# Altium PCB PCB1.PcbDoc (part 2 of 8) (continued)
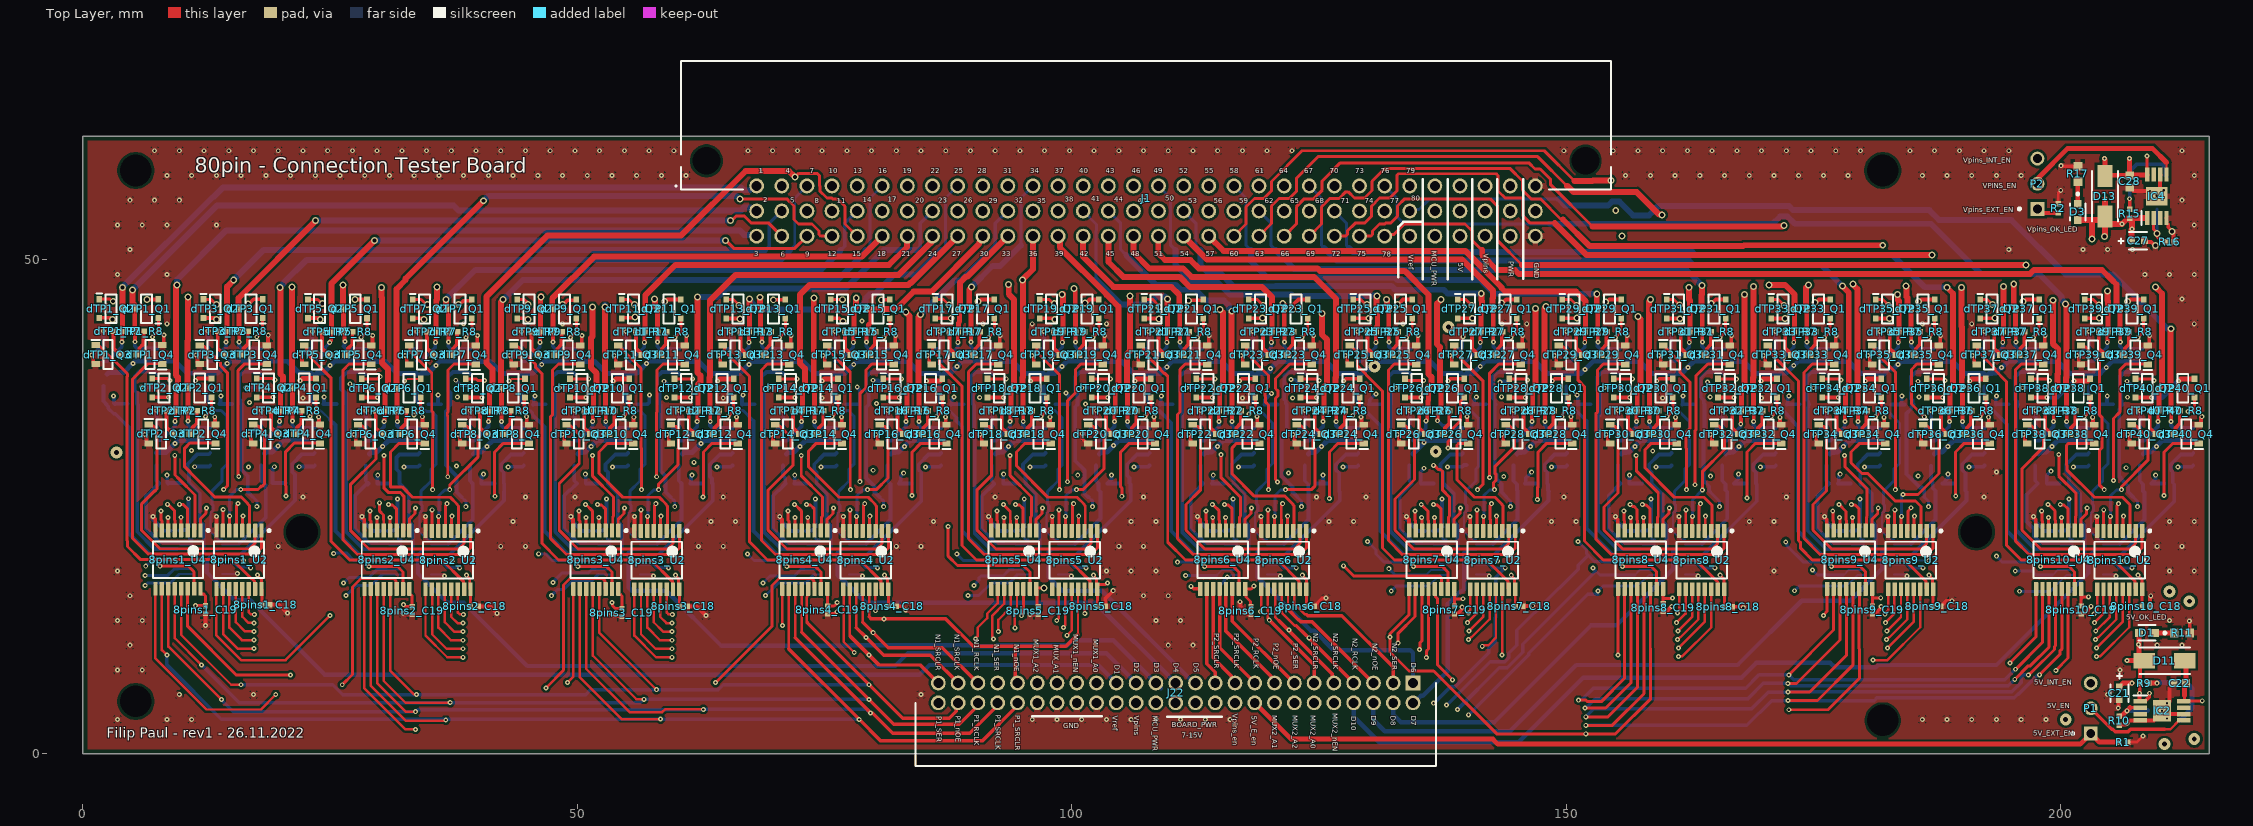
[diagram p0: Top Layer view]
## Nets (pads, with @x,y where several pads share a name; then routed paths per layer and width w, separated by ;. In a path a pad name is that pad's centre, name@x,y a point inside that pad or via, vN(x,y) a via of type N, cw(c..) or ccw(c..) an arc to the next point about the centre after c; other vN are vias at no path point) (continued)
  Top Layer w0.4: v1(210.754,5.127) 210.856,5.127 211.019,5.29 211.019,6.749 211.398,7.128 C22.2@211.398,7.159
  Bottom Layer w0.2: 8pins1_U3.8@14.084,18.188 14.109,18.213 15.59,18.213 v1(15.615,18.237) ; 8pins2_U3.8@35.218,18.168 36.35,18.168 36.531,17.988 v1(36.563,17.988) ; 8pins3_U3.8@56.347,18.168 57.479,18.168 57.659,17.988 v1(57.692,17.988) ; 8pins4_U3.8@77.476,18.168 78.608,18.168 78.788,17.988 v1(78.821,17.988) ; 8pins5_U3.8@98.605,18.168 99.737,18.168 99.917,17.988 v1(99.95,17.988) ; 8pins6_U3.8@119.734,18.168 120.866,18.168 121.046,17.988 v1(121.079,17.988) ; 8pins7_U3.8@140.863,18.168 141.995,18.168 142.175,17.988 v1(142.208,17.988) ; 8pins8_U3.8@161.992,18.168 163.124,18.168 163.304,17.988 v1(163.337,17.988) ; 8pins9_U3.8@183.121,18.168 184.253,18.168 184.433,17.988 v1(184.466,17.988) ; 8pins10_U3.8@204.25,18.168 205.382,18.168 205.562,17.988 v1(205.595,17.988)
  Bottom Layer w0.381: v1(0.882,40.341) 0.904,40.364 0.98,40.364 1.632,41.016 2.07,41.016 2.094,41.04 v1(2.094,42.77) ; v1(6.257,32.319) 6.28,32.342 6.355,32.342 7.008,32.995 7.445,32.995 7.469,33.019 v1(7.469,34.748) ; v1(7.073,24.027) 7.095,24.004 7.095,23.7 8.216,22.579 8pins1_C20.1@8.94,22.579 ; v1(11.43,40.332) 11.452,40.355 11.528,40.355 12.181,41.008 12.618,41.008 12.642,41.032 v1(12.642,42.761) ; v1(16.823,32.319) 16.846,32.342 16.922,32.342 17.574,32.995 18.012,32.995 18.036,33.019 v1(18.036,34.748) ; v1(21.961,40.48) 21.993,40.513 22.29,40.513 22.766,40.988 23.177,40.988 23.201,41.012 v1(23.201,42.742) ; v1(27.416,32.294) 27.439,32.317 27.515,32.317 28.167,32.97 28.605,32.97 28.629,32.994 v1(28.629,34.723) ; v1(28.206,24.007) 28.229,23.985 28.229,23.68 29.349,22.56 8pins2_C20.1@30.073,22.56 ; v1(32.588,40.307) 32.611,40.33 32.686,40.33 33.339,40.982 33.776,40.982 33.8,41.006 v1(33.8,42.736) ; v1(37.957,32.294) 37.98,32.317 38.056,32.317 38.708,32.97 39.146,32.97 39.17,32.994 v1(39.17,34.723) ; v1(43.154,40.307) 43.177,40.33 43.252,40.33 43.905,40.982 44.343,40.982 44.367,41.006 v1(44.367,42.736) ; v1(48.498,32.294) 48.521,32.317 48.597,32.317 49.249,32.97 49.687,32.97 49.711,32.994 v1(49.711,34.723) ; v1(49.335,24.007) 49.358,23.985 49.358,23.68 50.478,22.56 8pins3_C20.1@51.202,22.56 ; v1(53.721,40.307) 53.743,40.33 53.819,40.33 54.472,40.982 54.909,40.982 54.933,41.006 v1(54.933,42.736) ; v1(59.065,32.294) 59.088,32.317 59.163,32.317 59.816,32.97 60.253,32.97 60.277,32.994 v1(60.277,34.723) ; v1(64.287,40.307) 64.31,40.33 64.385,40.33 65.038,40.982 65.475,40.982 65.499,41.006 v1(65.499,42.736) ; v1(69.606,32.294) 69.629,32.317 69.704,32.317 70.357,32.97 70.794,32.97 70.818,32.994 v1(70.818,34.723) ; v1(70.464,24.007) 70.487,23.985 70.487,23.68 71.607,22.56 8pins4_C20.1@72.331,22.56 ; v1(74.853,40.307) 74.876,40.33 74.952,40.33 75.604,40.982 76.042,40.982 76.066,41.006 v1(76.066,42.736) ; v1(80.172,32.294) 80.195,32.317 80.27,32.317 80.923,32.97 81.361,32.97 81.385,32.994 v1(81.385,34.723) ; v1(85.42,40.307) 85.443,40.33 85.518,40.33 86.171,40.982 86.608,40.982 86.632,41.006 v1(86.632,42.736) ; v1(90.713,32.294) 90.736,32.317 90.811,32.317 91.464,32.97 91.902,32.97 91.926,32.994 v1(91.926,34.723) ; v1(91.593,24.007) 91.616,23.985 91.616,23.68 92.736,22.56 8pins5_C20.1@93.46,22.56 ; v1(95.986,40.307) 96.009,40.33 96.084,40.33 96.737,40.982 97.175,40.982 97.199,41.006 v1(97.199,42.736) ; v1(101.051,32.407) 101.052,32.406 101.467,32.406 102.031,32.97 102.443,32.97 102.467,32.994 v1(102.467,34.723) ; v1(106.553,40.307) 106.575,40.33 106.651,40.33 107.304,40.982 107.741,40.982 107.765,41.006 v1(107.765,42.736) ; v1(111.821,32.294) 111.843,32.317 111.919,32.317 112.572,32.97 113.009,32.97 113.033,32.994 v1(113.033,34.723) ; v1(112.722,24.007) 112.745,23.985 112.745,23.68 113.865,22.56 8pins6_C20.1@114.589,22.56 ; v1(117.119,40.307) 117.142,40.33 117.217,40.33 117.87,40.982 118.307,40.982 118.331,41.006 v1(118.331,42.736) ; v1(122.362,32.294) 122.384,32.317 122.46,32.317 123.113,32.97 123.55,32.97 123.574,32.994 v1(123.574,34.723) ; v1(127.685,40.307) 127.708,40.33 127.784,40.33 128.436,40.982 128.874,40.982 128.898,41.006 v1(128.898,42.736) ; v1(132.928,32.294) 132.951,32.317 133.026,32.317 133.679,32.97 134.116,32.97 134.14,32.994 v1(134.14,34.723) ; v1(133.851,24.007) 133.874,23.985 133.874,23.68 134.994,22.56 8pins7_C20.1@135.718,22.56 ; v1(138.252,40.307) 138.275,40.33 138.35,40.33 139.003,40.982 139.44,40.982 139.44,41.069 139.464,41.093 139.464,42.079 139.542,42.157 v1(139.542,42.189) ; v1(143.469,32.294) 143.492,32.317 143.567,32.317 144.22,32.97 144.657,32.97 144.681,32.994 v1(144.681,34.723) ; v1(148.818,40.307) 148.841,40.33 148.916,40.33 149.569,40.982 150.007,40.982 150.031,41.006 v1(150.031,42.736) ; v1(154.035,32.294) 154.058,32.317 154.134,32.317 154.786,32.97 155.224,32.97 155.248,32.994 v1(155.248,34.723) ; v1(154.98,24.007) 155.003,23.985 155.003,23.68 156.123,22.56 8pins8_C20.1@156.847,22.56 ; v1(159.385,40.307) 159.407,40.33 159.483,40.33 160.136,40.982 160.573,40.982 160.597,41.006 v1(160.597,42.736) ; v1(164.576,32.294) 164.599,32.317 164.675,32.317 165.327,32.97 165.765,32.97 165.789,32.994 v1(165.789,34.723) ; v1(169.951,40.307) 169.974,40.33 170.049,40.33 170.543,40.824 171.007,40.824 dTP33_IC1.4@171.141,40.958 ; dTP33_IC1.4@171.139,40.982 171.163,41.006 v1(171.163,42.736) ; v1(175.117,32.294) 175.14,32.317 175.216,32.317 175.868,32.97 176.306,32.97 176.33,32.994 v1(176.33,34.723) ; v1(176.109,24.007) 176.132,23.985 176.132,23.68 177.252,22.56 8pins9_C20.1@177.976,22.56 ; v1(180.517,40.307) 180.54,40.33 180.616,40.33 181.268,40.982 181.706,40.982 181.73,41.006 v1(181.73,42.736) ; v1(185.87,32.443) 185.892,32.465 185.956,32.465 186.461,32.97 186.872,32.97 186.896,32.994 v1(186.896,34.723) ; v1(191.084,40.307) 191.107,40.33 191.182,40.33 191.835,40.982 192.272,40.982 192.296,41.006 v1(192.296,42.736) ; v1(196.225,32.294) 196.248,32.317 196.323,32.317 196.976,32.97 197.413,32.97 197.437,32.994 v1(197.437,34.723) ; v1(197.238,24.007) 197.261,23.985 197.261,23.68 198.381,22.56 8pins10_C20.1@199.105,22.56 ; v1(201.65,40.307) 201.673,40.33 201.748,40.33 202.401,40.982 202.839,40.982 202.863,41.006 v1(202.863,42.736) ; v1(206.791,32.294) 206.814,32.317 206.889,32.317 207.542,32.97 207.98,32.97 208.004,32.994 v1(208.004,34.723)
  other v1: 213,13.445
  other v2: 3.5,3.5 8.5,3.5 11,3.5 96,3.5 98.5,3.5 101,3.5 103.5,3.5 106,3.5 108.5,3.5 111,3.5 113.5,3.5 116,3.5 186,3.5 188.5,3.5 191,3.5 193.5,3.5 196,3.5 198.5,3.5 9.75,6 17.25,6 84.75,6 204.75,6 3.5,8.5 6,8.5 206,8.5 4.75,11 109.75,11 112.25,11 209.75,11 212.25,11 3.5,13.5 6,13.5 108.5,13.5 111,13.5 211,13.5 4.75,16 107.25,16 109.75,16 3.5,18.5 103.5,18.5 106,18.5 108.5,18.5 171,18.5 211,18.5 213.5,18.5 19.75,21 42.25,21 44.75,21 62.25,21 64.75,21 82.25,21 84.75,21 104.75,21 107.25,21 209.75,21 212.25,21 43.5,23.5 63.5,23.5 66,23.5 86,23.5 106,23.5 108.5,23.5 126,23.5 128.5,23.5 148.5,23.5 151,23.5 168.5,23.5 171,23.5 211,23.5 213.5,23.5 22.25,26 44.75,26 49.75,26 64.75,26 92.25,26 107.25,26 124.75,26 129.75,26 149.75,26 172.25,26 192.25,26 193.5,28.5 22.25,36 64.75,36 74.75,36 117.25,36 159.75,36 169.75,36 8.5,43.5 38.5,43.5 48.5,43.5 91,43.5 96,43.5 103.5,43.5 133.5,43.5 143.5,43.5 146,43.5 186,43.5 191,43.5 213.5,43.5 212.25,46 3.5,48.5 8.5,48.5 208.5,48.5 211,48.5 213.5,48.5 4.75,51 194.75,51 202.25,51 204.75,51 207.25,51 3.5,53.5 6,53.5 8.5,53.5 13.5,53.5 213.5,53.5 4.75,56 7.25,56 9.75,56 212.25,56 8.5,58.5 11,58.5 13.5,58.5 16,58.5 18.5,58.5 21,58.5 23.5,58.5 26,58.5 28.5,58.5 31,58.5 33.5,58.5 36,58.5 38.5,58.5 41,58.5 43.5,58.5 46,58.5 48.5,58.5 51,58.5 53.5,58.5 56,58.5 58.5,58.5 61,58.5 156,58.5 158.5,58.5 161,58.5 163.5,58.5 166,58.5 168.5,58.5 171,58.5 173.5,58.5 176,58.5 178.5,58.5 186,58.5 188.5,58.5 191,58.5 193.5,58.5 196,58.5 213.5,58.5 7.25,61 9.75,61 12.25,61 14.75,61 17.25,61 19.75,61 22.25,61 24.75,61 27.25,61 29.75,61 32.25,61 34.75,61 37.25,61 39.75,61 42.25,61 44.75,61 47.25,61 49.75,61 52.25,61 54.75,61 57.25,61 59.75,61 67.25,61 69.75,61 72.25,61 74.75,61 77.25,61 79.75,61 82.25,61 84.75,61 87.25,61 89.75,61 92.25,61 94.75,61 97.25,61 99.75,61 102.25,61 104.75,61 107.25,61 109.75,61 112.25,61 114.75,61 117.25,61 119.75,61 122.25,61 149.75,61 154.75,61 157.25,61 159.75,61 162.25,61 164.75,61 167.25,61 169.75,61 172.25,61 174.75,61 177.25,61 179.75,61 184.75,61 187.25,61 189.75,61 192.25,61 194.75,61 212.25,61
MUX_D_1_41: 8pins1_U3.3 J22.31 | length 100.8
  Bottom Layer w0.2: 13.234,20.443 13.27,20.443 13.464,20.638 13.542,20.638 13.659,20.638 13.709,20.688 8pins1_U3.3@14.084,20.688
  Bottom Layer w0.25: 13.134,20.16 13.234,20.26 13.234,20.443
  Bottom Layer w0.45: 13.134,20.16 12.5,19.526 12.5,18.397 15.338,15.559 16.917,15.559 18.059,14.416 24.475,8 84.605,8 85.605,9 102.675,9 J22.31@104.5,7.175
MUX_D_2_41: 8pins2_U3.3 J22.29 | length 81.9
  Bottom Layer w0.25: 34.032,20.182 33.977,20.182 33.932,20.227 34.347,20.643 34.818,20.643 34.843,20.668 8pins2_U3.3@35.218,20.668
  Bottom Layer w0.45: 34.032,20.182 34.032,19.971 33.886,19.825 33.886,18.253 36.86,15.279 38.537,15.279 44.918,8.898 82.126,8.898 83.433,10.204 103.471,10.204 J22.29@106.5,7.175
MUX_D_3_41: 8pins3_U3.3 J22.27 | length 63.4
  Bottom Layer w0.25: 55.2,20.367 55.476,20.643 55.947,20.643 55.972,20.668 8pins3_U3.3@56.347,20.668
  Bottom Layer w0.45: 55.2,20.367 55.2,16.8 55.5,16.5 59,16.5 64.57,10.93 77.628,10.93 77.698,11 89.849,11 89.941,10.908 92.387,10.908 92.479,11 99.531,11 100.031,11.5 104.175,11.5 J22.27@108.5,7.175 J22.27@109.017,6.658
MUX_D_4_41: 8pins4_U3.3 J22.25 | length 42.4
  Bottom Layer w0.25: 76.308,20.345 76.605,20.643 77.076,20.643 77.101,20.668 8pins4_U3.3@77.476,20.668
  Bottom Layer w0.45: 76.308,20.345 76.308,18.089 76.804,17.593 76.875,17.593 79.173,15.295 102.38,15.295 J22.25@110.5,7.175 J22.25@110.346,7.175
MUX_D_5_41: 8pins5_U3.3 J22.23 | length 22.9
  Bottom Layer w0.25: 97.858,20.668 97.927,20.668 ; 97.928,20.667 8pins5_U3.3@98.604,20.667
  Bottom Layer w0.45: 97.858,20.668 97.655,20.465 97.655,17.871 99.026,16.5 103.021,16.5 112.346,7.175 J22.23@112.5,7.175
MUX_D_6_41: 8pins6_U3.3 J22.1 | length 25.6
  Bottom Layer w0.25: 118.863,20.643 8pins6_U3.3@119.334,20.643 ; 8pins6_U3.3@119.359,20.668 8pins6_U3.3@119.734,20.668
  Bottom Layer w0.45: 118.863,20.643 118.863,20.545 118.784,20.465 118.784,17.871 124.174,12.48 124.52,12.48 126.5,10.5 134.236,10.5 134.5,10.236 J22.1@134.5,7.175
MUX_D_7_41: 8pins7_U3.3 J22.2 | length 18.9
  Bottom Layer w0.25: 139.694,20.345 139.992,20.643 140.463,20.643 140.488,20.668 8pins7_U3.3@140.863,20.668
  Bottom Layer w0.45: J22.2@134.5,5.175 134.594,5.175 135.289,5.87 135.48,5.87 138,8.39 138,15.174 139.256,16.43 139.431,16.43 139.694,16.694 139.694,20.345
MUX_D_8_41: 8pins8_U3.3 J22.4 | length 39.2
  Bottom Layer w0.2: 160.806,20.668 8pins8_U3.3@161.992,20.668
  Bottom Layer w0.45: J22.4@132.5,5 132.5,4 133.268,3.232 142.732,3.232 152.5,13 155.071,13 160.806,18.735 160.806,20.668
MUX_D_9_41: 8pins9_U3.3 J22.6 | length 63.5
  Bottom Layer w0.25: 181.935,20.643 182.721,20.643 182.746,20.668 8pins9_U3.3@183.121,20.668
  Bottom Layer w0.45: J22.6@130.5,5.175 130.5,3.453 131.639,2.314 144.314,2.314 151,9 167.316,9 173.816,15.5 178.7,15.5 181.935,18.735 181.935,20.643
MUX_D_10_41: 8pins10_U3.3 J22.8 | length 87.7
  Bottom Layer w0.25: 202.978,19.886 202.964,19.9 202.964,20.227 203.379,20.643 203.85,20.643 203.875,20.668 8pins10_U3.3@204.25,20.668
  Bottom Layer w0.45: J22.8@128.5,5.175 128.5,3.766 131.091,1.175 145.175,1.175 151.728,7.728 167.728,7.728 169.229,9.229 176.674,9.229 177.132,8.771 181.302,8.771 181.531,9 193.5,9 202.8,18.3 202.8,19.707 202.978,19.886
MUXes_1to5__A0_41: 8pins1_U3.11 8pins2_U3.11 8pins3_U3.11 8pins4_U3.11 8pins5_U3.11 J22.33 | length 142.5
  Layer 2 w0.3: v1(88.369,20.227) 91.058,17.538 99.342,17.538 102.509,14.37 102.509,7.184 J22.33@102.5,7.175
  Layer 3 w0.45: v1@6.358,19.01 6.38,19.032 6.38,19.035 7.339,19.994 15.668,19.994 15.95,20.276 16.554,20.276 16.837,19.994 25.069,19.994 v1(25.358,20.282) ; v1@25.38,20.274 25.381,20.272 25.46,20.272 25.47,20.262 46.034,20.262 46.043,20.252 46.065,20.252 v1@46.072,20.259 ; v1@46.104,20.259 46.111,20.252 46.133,20.252 46.143,20.262 67.168,20.262 67.203,20.228 v1(67.216,20.228) ; v1@67.216,20.244 67.223,20.237 67.261,20.237 67.275,20.251 79.336,20.251 79.342,20.257 79.946,20.257 79.952,20.251 88.31,20.251 88.324,20.237 88.357,20.237 v1@88.369,20.249 ; v1@88.369,20.244 88.376,20.237 88.414,20.237 v1@88.428,20.251
  Bottom Layer w0.2: 9.805,19.597 10.215,19.188 8pins1_U3.11@11.084,19.188 ; 30.939,19.578 31.348,19.168 8pins2_U3.11@32.218,19.168 ; 51.294,19.664 51.344,19.714 51.931,19.714 52.477,19.168 8pins3_U3.11@53.347,19.168 ; 73.147,19.628 73.606,19.168 8pins4_U3.11@74.476,19.168 ; 94.326,19.578 94.735,19.168 8pins5_U3.11@95.605,19.168
  Bottom Layer w0.3: v1(6.355,18.993) 6.378,18.993 7.032,19.647 8.055,19.647 8.105,19.597 9.805,19.597 ; v1(25.358,20.282) 25.396,20.32 26.05,20.32 26.069,20.339 26.63,20.339 27.391,19.578 28.165,19.578 28.251,19.664 29.152,19.664 29.238,19.578 30.939,19.578 ; v1(46.088,20.243) 46.792,20.243 47.457,19.578 49.294,19.578 49.38,19.664 51.294,19.664 ; v1(67.216,20.228) 67.866,19.578 70.423,19.578 70.473,19.628 73.147,19.628 ; v1(88.369,20.227) 89.018,19.578 91.552,19.578 91.602,19.628 92.575,19.628 92.625,19.578 94.326,19.578
MUXes_1to5__A1_41: 8pins1_U3.10 8pins2_U3.10 8pins3_U3.10 8pins4_U3.10 8pins5_U3.10 J22.37 | length 130.6
  Layer 3 w0.45: v1(6.298,18.065) 13.918,18.065 14.68,17.303 v1(26.364,17.303) 36.216,17.303 36.261,17.259 36.865,17.259 36.959,17.353 47.516,17.353 v1(47.52,17.357) 57.292,17.357 57.39,17.259 57.994,17.259 58.038,17.303 v1(68.782,17.303) 68.796,17.303 69.05,17.049 v1(90.118,17.049) 94.306,17.049 97.034,14.321 97.034,10.09 98.527,8.597 J22.37@98.527,7.202
  Bottom Layer w0.2: 9.596,18.692 9.6,18.688 8pins1_U3.10@11.084,18.688 ; 30.73,18.672 30.734,18.668 8pins2_U3.10@32.218,18.668 ; 51.859,18.672 51.863,18.668 8pins3_U3.10@53.347,18.668 ; 72.988,18.672 72.992,18.668 8pins4_U3.10@74.476,18.668 ; 94.117,18.672 94.121,18.668 8pins5_U3.10@95.605,18.668
  Bottom Layer w0.3: v1(6.298,18.065) 8.584,18.065 9.211,18.692 9.596,18.692 ; v1(26.364,17.303) 26.898,17.837 28.93,17.837 29.765,18.672 30.73,18.672 ; v1(47.52,17.357) 48.482,18.319 51.12,18.319 51.473,18.672 51.859,18.672 ; v1(68.782,17.303) 69.486,18.007 71.937,18.007 72.602,18.672 72.988,18.672 ; v1(90.118,17.049) 90.118,17.091 90.592,17.565 90.592,17.777 90.822,18.007 93.066,18.007 93.731,18.672 94.117,18.672
MUXes_1to5__A2_41: 8pins1_U3.9 8pins2_U3.9 8pins3_U3.9 8pins4_U3.9 8pins5_U3.9 J22.39 | length 129.1
  Layer 3 w0.45: v1(6.298,17.049) 7.314,16.033 v1(26.618,16.033) 27.391,15.26 31.536,15.26 32.381,16.105 47.258,16.105 47.356,16.007 v1(47.37,16.007) 47.876,15.5 50.578,15.5 51.111,16.033 59.541,16.033 60.073,15.5 68.503,15.5 v1(69.036,16.033) 89.491,16.033 v1(89.5,16.024) ; v1@89.514,16.014 89.545,16.014 89.559,16 89.969,16 96.5,9.469 J22.39@96.5,7.175
  Bottom Layer w0.2: 9.723,18.138 9.773,18.188 8pins1_U3.9@11.084,18.188 ; 30.277,18.118 30.327,18.168 8pins2_U3.9@32.218,18.168 ; 52.121,18.164 52.125,18.168 8pins3_U3.9@53.347,18.168 ; 8pins4_U3.9@73.965,18.164 74.472,18.164 8pins4_U3.9@74.476,18.168 ; 94.535,18.164 95.601,18.164 8pins5_U3.9@95.605,18.168
  Bottom Layer w0.3: v1(6.298,17.049) 6.552,17.303 8.838,17.303 9.673,18.138 9.723,18.138 ; v1(26.618,16.033) 27.634,17.049 29.158,17.049 30.227,18.118 30.277,18.118 ; v1(47.37,16.007) 48.012,16.649 48.624,16.649 49.532,17.557 51.51,17.557 52.117,18.164 52.121,18.164 ; v1(69.036,16.033) 70.306,17.303 73.1,17.303 73.961,18.164 8pins4_U3.9@73.965,18.164 ; v1(89.5,16.024) 90.596,16.024 91.875,17.303 93.674,17.303 94.535,18.164
MUXes_1to5_nEN_41: 8pins1_U3.6 8pins2_U3.6 8pins3_U3.6 8pins4_U3.6 8pins5_U3.6 J22.35 | length 115.1
  Layer 3 w0.45: v1@16.98,18.836 16.989,18.836 17.018,18.865 27.342,18.865 27.962,18.245 35.789,18.245 36.343,18.799 37.688,18.799 37.694,18.805 38.097,18.805 v1(38.099,18.807) 38.103,18.811 47.237,18.811 47.803,18.245 56.918,18.245 57.472,18.799 58.817,18.799 58.823,18.805 59.226,18.805 v1(59.228,18.807) 59.232,18.811 68.366,18.811 68.932,18.245 78.047,18.245 78.601,18.799 79.946,18.799 79.952,18.805 80.355,18.805 v1(80.357,18.807) 80.361,18.811 89.495,18.811 90.061,18.245 94.255,18.245 ; J22.35@100.5,7.175 100.5,8.199 97.738,10.961 97.738,14.762 94.255,18.245 ; v1(101.436,18.824) 101.426,18.814 101.09,18.814 101.075,18.799 100.471,18.799 100.446,18.824 99.755,18.824 99.176,18.245 94.255,18.245
  Bottom Layer w0.2: 8pins1_U3.6@14.084,19.188 15.359,19.188 15.655,18.891 15.77,18.891 ; 8pins2_U3.6@35.218,19.168 36.492,19.168 36.789,18.872 36.903,18.872 ; 8pins3_U3.6@56.347,19.168 57.621,19.168 57.918,18.872 58.032,18.872 ; 8pins4_U3.6@77.476,19.168 78.75,19.168 79.047,18.872 79.161,18.872 ; 8pins5_U3.6@98.605,19.168 99.879,19.168 100.176,18.872 100.29,18.872
  Bottom Layer w0.3: 15.77,18.891 16.712,18.891 16.738,18.865 16.928,18.865 v1(16.966,18.827) ; 36.903,18.872 37.845,18.872 37.872,18.845 38.061,18.845 v1(38.099,18.807) ; 58.032,18.872 58.974,18.872 59.001,18.845 59.19,18.845 v1(59.228,18.807) ; 79.161,18.872 80.103,18.872 80.13,18.845 80.319,18.845 v1(80.357,18.807) ; 100.29,18.872 101.232,18.872 101.242,18.862 101.397,18.862 v1(101.436,18.824)
MUXes_6TO10_A0_41: 8pins6_U3.11 8pins7_U3.11 8pins8_U3.11 8pins9_U3.11 8pins10_U3.11 J22.12 | length 164.3
  Layer 2 w0.35: J22.12@124.5,5.175 124.5,4.5 126,3 135.93,3 v1(137.888,4.958)
  Layer 3 w0.45: v1@110.7,19.381 v1(110.7,19.395) 112.8,21.495 v1(129.9,21.495) ; v1@129.9,21.495 v1@151.19,21.495 ; v1@151.201,21.494 172.125,21.494 172.176,21.443 188.557,21.443 190,20 v1(193.5,20)
  Bottom Layer w0.2: 112.831,19.664 112.962,19.664 ; 115.537,19.664 115.668,19.664 116.114,19.218 116.192,19.218 116.309,19.218 116.359,19.168 8pins6_U3.11@116.734,19.168 ; 133.96,19.664 134.091,19.664 ; 136.666,19.664 136.797,19.664 137.243,19.218 137.321,19.218 137.438,19.218 137.488,19.168 8pins7_U3.11@137.863,19.168 ; 155.089,19.664 155.22,19.664 ; 157.795,19.664 157.926,19.664 158.371,19.218 158.45,19.218 158.567,19.218 158.617,19.168 8pins8_U3.11@158.992,19.168 ; 176.218,19.664 176.349,19.664 ; 178.924,19.664 179.054,19.664 179.5,19.218 179.579,19.218 179.696,19.218 179.746,19.168 8pins9_U3.11@180.121,19.168 ; 197.347,19.664 197.478,19.664 ; 200.053,19.664 200.183,19.664 200.629,19.218 200.708,19.218 200.825,19.218 200.875,19.168 8pins10_U3.11@201.25,19.168
  Bottom Layer w0.3: v1(110.7,19.395) 112.562,19.395 112.831,19.664 ; 112.962,19.664 115.537,19.664 ; v1(129.9,21.495) 130.769,20.626 130.769,20.226 131.6,19.395 133.691,19.395 133.96,19.664 ; 134.091,19.664 136.666,19.664 ; v1(151.19,21.494) 152.037,20.647 152.037,20.258 152.208,20.087 152.846,19.449 153.833,19.449 153.887,19.395 154.82,19.395 155.089,19.664 ; 155.22,19.664 157.795,19.664 ; v1(172.19,21.443) 172.19,21.389 172.3,21.279 172.3,21.095 174,19.395 175.949,19.395 176.218,19.664 ; 176.349,19.664 178.924,19.664 ; v1(193.5,20) 194.105,19.395 197.078,19.395 197.347,19.664 ; 197.478,19.664 200.053,19.664
  Bottom Layer w0.35: v1@137.927,4.927 142.321,9.321 143.781,9.321 144.179,9.719 144.179,10.179 145,11 145,12.5 146.816,14.316 146.881,14.316 147.279,14.714 147.279,14.779 151.19,18.69 151.19,19.069 152.208,20.087